# KiCad board latentpink.kicad_pcb (continued)
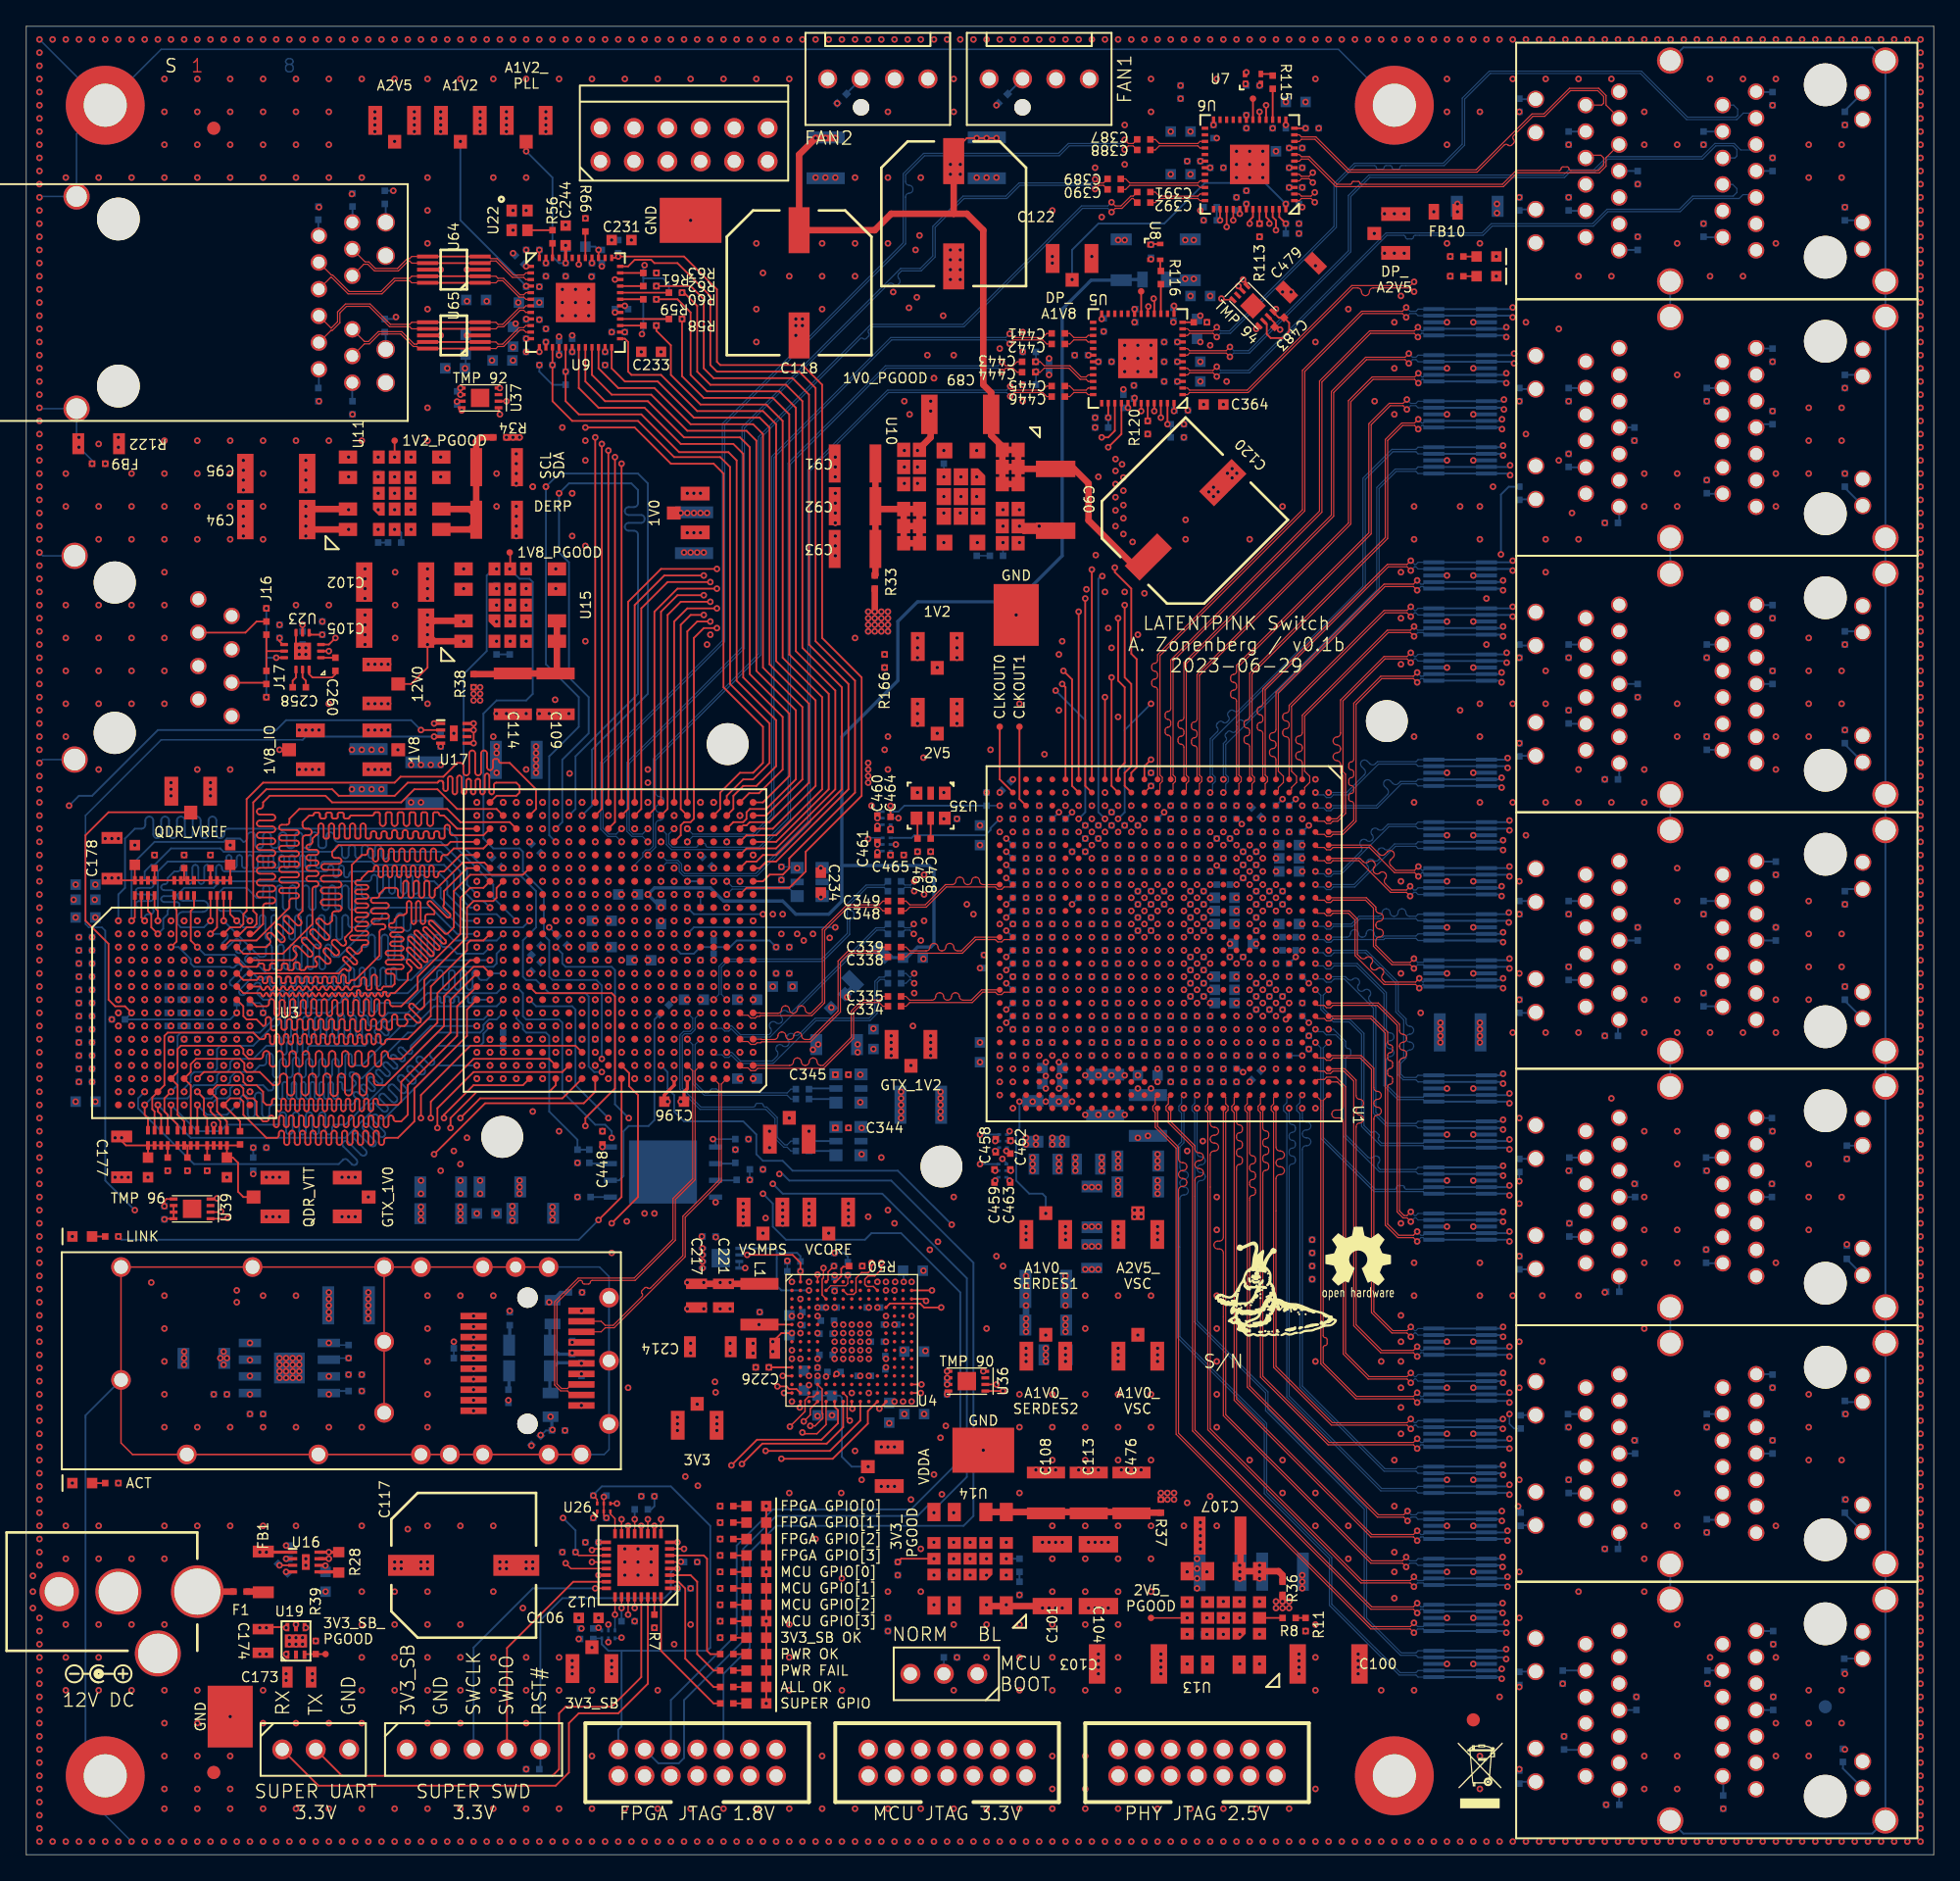
[diagram p0: board, top side]
## Routing (per net, layer and track width the routed paths; a pad name or vN(x,y) marks a point on that pad's centre or on a via; arc(x,y) is an arc through that point) (continued)
/QSGMII PHY/ETH0_D1_P: length 75.2
  Top w0.09: U1.H26 92,55.7 arc(92.07,55.54) 92.22,55.48 arc(92.38,55.41) 92.45,55.25 92.45,55.1 arc(92.38,54.94) 92.22,54.88 arc(92.07,54.81) 92,54.65 92,54.5 arc(92.07,54.34) 92.22,54.28 arc(92.38,54.21) 92.45,54.05 92.45,53.9 arc(92.38,53.74) 92.22,53.68 arc(92.07,53.61) 92,53.45 92,53.3 arc(92.07,53.14) 92.22,53.08 arc(92.38,53.01) 92.45,52.85 92.45,52.7 arc(92.38,52.54) 92.22,52.48 arc(92.07,52.41) 92,52.25 92,34.63 102.29,24.34 105.45,24.34 v1(105.73,24.62)
  In2.Cu w0.081: 129.37,12.4 130,12.4 130.41,11.99 130.41,11.64 129.86,11.09 126.79,11.09 125.34,12.54 125.34,15.54 117.79,23.09 114.79,23.09 113.54,24.34 112.89,24.34 v1(112.6,24.62)
  Bottom w0.09: 106.35,24.5 106.19,24.34 106.02,24.34 v1(105.73,24.62)
  Bottom w0.14: U48.2 U48.9 112.47,24.5 v1(112.6,24.62)
/QSGMII PHY/ETH0_D2_N: length 78.5
  Top w0.09: U1.J25 91.18,57.57 91.18,57.08 91.36,56.9 91.36,56.6 91.18,56.42 91.18,33.45 102.29,22.34 104.62,22.34 v1(104.9,22.62)
  In2.Cu w0.081: J4.10 129.72,9.98 130,9.7 130,9.22 129.86,9.09 125.79,9.09 123.84,11.04 123.84,16.04 117.54,22.34 112.52,22.34 v1(112.23,22.62)
  Bottom w0.09: v1(104.9,22.62) 105.18,22.34 105.64,22.34 105.8,22.5 U49.5
  Bottom w0.14: U49.5 U49.6 112.1,22.5 v1(112.23,22.62)
/QSGMII PHY/ETH0_D2_P: length 78.2
  Top w0.09: v1(104.9,21.88) 104.62,22.16 102.21,22.16 91,33.37 91,45.75 arc(90.91,45.96) 90.7,46.05 90.58,46.05 arc(90.37,46.14) 90.28,46.35 arc(90.37,46.56) 90.58,46.65 90.7,46.65 arc(90.91,46.74) 91,46.95 U1.J26
  In2.Cu w0.081: v1(112.23,21.88) 112.52,22.16 117.46,22.16 123.66,15.96 123.66,10.96 125.71,8.91 129.94,8.91 130.22,9.2 131.29,9.2
  Bottom w0.09: v1(104.9,21.88) 105.18,22.16 105.64,22.16 105.8,22 U49.4
  Bottom w0.14: U49.4 U49.7 112.1,22 v1(112.23,21.88)
/QSGMII PHY/ETH0_D3_N: length 81.1
  Top w0.09: U1.K25 89.82,57.57 89.82,57.08 89.64,56.9 89.64,56.6 89.82,56.42 89.82,32.3 101.46,20.66 105.2,20.66 v1(105.49,20.38)
  In2.Cu w0.081: v1(112.6,20.38) 112.89,20.66 115.46,20.66 120.21,15.91 121.71,15.91 122.91,14.71 122.91,9.16 125.26,6.81 129.84,6.81 130,6.98 J4.2
  Bottom w0.09: v1(105.49,20.38) 105.77,20.66 106.19,20.66 106.35,20.5
  Bottom w0.14: U49.1 U49.10 112.47,20.5 v1(112.6,20.38)
/QSGMII PHY/ETH0_D3_P: length 80.6
  Top w0.09: U1.K26 90,55.6 arc(90.09,55.39) 90.3,55.3 90.34,55.3 arc(90.55,55.21) 90.64,55 arc(90.55,54.79) 90.34,54.7 90.3,54.7 arc(90.09,54.61) 90,54.4 arc(90.09,54.19) 90.3,54.1 90.34,54.1 arc(90.55,54.01) 90.64,53.8 arc(90.55,53.59) 90.34,53.5 90.3,53.5 arc(90.09,53.41) 90,53.2 90,32.38 101.54,20.84 105.2,20.84 v1(105.49,21.12)
  In2.Cu w0.081: 129.43,7.97 130,7.4 130,7.22 129.76,6.99 125.34,6.99 123.09,9.24 123.09,14.79 121.79,16.09 120.29,16.09 115.54,20.84 112.89,20.84 v1(112.6,21.12)
  Bottom w0.09: v1(105.49,21.12) 105.77,20.84 106.19,20.84 106.35,21
  Bottom w0.14: v1(112.6,21.12) 112.47,21 U49.9 U49.2
/QSGMII PHY/ETH0_TAP_0: length 1.3
  Bottom w0.14: C393.2 131.53,17
/QSGMII PHY/ETH0_TAP_1: length 1.2
  Bottom w0.14: J4.12 C394.2
/QSGMII PHY/ETH0_TAP_2: length 1.3
  Bottom w0.14: C395.2 J4.4
/QSGMII PHY/ETH0_TAP_3: length 1.4
  Bottom w0.14: C396.2 129,5.92
/QSGMII PHY/ETH1_D0_N: length 72.5
  In2.Cu w0.081: J4.21 119.16,5.96 119.7,6.5 119.7,6.68 119.46,6.91 117.71,6.91 112.91,11.71 112.91,13.46 112.71,13.66 112.45,13.66 v1(112.16,13.38)
  Bottom w0.09: v1(88,57.75) 87.82,57.57 87.82,57.11 87.62,56.91 87.62,56.59 87.82,56.39 87.82,54.2 87.51,53.89 87.51,39.31 94.11,32.71 94.11,27.46 99.06,22.51 99.06,18.96 104.36,13.66 105.64,13.66 105.8,13.5 U52.1
  Bottom w0.14: v1(112.16,13.38) 112.04,13.5 U52.10 U52.1
/QSGMII PHY/ETH1_D0_P: length 72.4
  In2.Cu w0.081: v1(112.16,14.12) 112.45,13.84 112.79,13.84 113.09,13.54 113.09,11.79 117.79,7.09 119.54,7.09 119.81,6.81 120.25,6.81 120.42,6.98 J4.15
  Bottom w0.09: v1(88,56.75) 88,54.12 87.69,53.81 87.69,52.26 arc(87.78,52.05) 87.99,51.96 88.03,51.96 arc(88.25,51.87) 88.33,51.66 arc(88.25,51.45) 88.03,51.36 87.99,51.36 arc(87.78,51.27) 87.69,51.06 arc(87.78,50.85) 87.99,50.76 88.03,50.76 arc(88.25,50.67) 88.33,50.46 arc(88.25,50.25) 88.03,50.16 87.99,50.16 arc(87.78,50.07) 87.69,49.86 87.69,39.39 94.29,32.79 94.29,27.54 99.24,22.59 99.24,19.04 104.44,13.84 105.64,13.84 105.8,14 U52.2
  Bottom w0.14: v1(112.16,14.12) 112.04,14 U52.9 U52.2
/QSGMII PHY/ETH1_D1_N: length 69.3
  In2.Cu w0.081: 120.78,9.3 119.92,9.3 119.54,8.91 117.96,8.91 113.41,13.46 113.41,14.71 112.96,15.16 112.79,15.16 v1(112.5,14.88)
  Bottom w0.09: U52.4 105.8,15 105.64,15.16 104.46,15.16 101.71,17.91 101.71,26.26 94.21,33.76 94.21,35.11 88.82,40.5 88.82,56.39 88.62,56.59 88.62,56.91 88.82,57.11 88.82,57.57 v1(89,57.75)
  Bottom w0.14: U52.4 U52.7 112.38,15 v1(112.5,14.88)
/QSGMII PHY/ETH1_D1_P: length 69.7
  In2.Cu w0.081: v1(112.5,15.62) 112.79,15.34 113.04,15.34 113.59,14.79 113.59,13.54 118.04,9.09 119.46,9.09 119.69,9.31 119.69,9.51 119.22,9.98 J4.23
  Bottom w0.09: v1(89,56.75) 89,53.35 arc(89.09,53.14) 89.3,53.05 89.32,53.05 arc(89.54,52.96) 89.62,52.75 arc(89.54,52.54) 89.32,52.45 89.3,52.45 arc(89.09,52.36) 89,52.15 arc(89.09,51.94) 89.3,51.85 89.32,51.85 arc(89.54,51.76) 89.62,51.55 arc(89.54,51.34) 89.32,51.25 89.3,51.25 arc(89.09,51.16) 89,50.95 89,40.58 94.39,35.19 94.39,33.84 101.89,26.34 101.89,17.99 104.54,15.34 105.64,15.34 105.8,15.5 U52.5
  Bottom w0.14: U52.5 U52.6 112.38,15.5 v1(112.5,15.62)
/QSGMII PHY/ETH1_D2_N: length 68.9
  Top w0.09: U1.P25 85.82,57.57 85.82,57.08 85.64,56.9 85.64,56.6 85.82,56.42 85.82,55.3 87.41,53.71 87.41,31.96 102.21,17.16 105.21,17.16 v1(105.49,16.88)
  In2.Cu w0.081: v1(112.51,16.88) 112.8,17.16 113.21,17.16 113.66,16.71 113.66,15.71 114.46,14.91 115.96,14.91 117.96,12.91 119.46,12.91 119.7,12.68 119.7,12.5 119.19,11.99 J4.24
  Bottom w0.09: v1(105.49,16.88) 105.78,17.16 106.19,17.16 106.35,17
  Bottom w0.14: v1(112.51,16.88) 112.39,17 U53.10 U53.1
/QSGMII PHY/ETH1_D2_P: length 68.5
  Top w0.09: v1(105.49,17.62) 105.21,17.34 102.29,17.34 87.59,32.04 87.59,50.51 arc(87.68,50.72) 87.89,50.81 87.93,50.81 arc(88.14,50.9) 88.23,51.11 arc(88.14,51.32) 87.93,51.41 87.89,51.41 arc(87.68,51.5) 87.59,51.71 arc(87.68,51.92) 87.89,52.01 87.93,52.01 arc(88.14,52.1) 88.23,52.31 arc(88.14,52.52) 87.93,52.61 87.89,52.61 arc(87.68,52.7) 87.59,52.91 87.59,53.79 86,55.38 U1.P26
  In2.Cu w0.081: v1(112.51,17.62) 112.8,17.34 113.29,17.34 113.84,16.79 113.84,15.79 114.54,15.09 116.04,15.09 118.04,13.09 119.54,13.09 119.92,12.7 120.78,12.7
  Bottom w0.09: v1(105.49,17.62) 105.78,17.34 106.19,17.34 106.35,17.5
  Bottom w0.14: v1(112.51,17.62) 112.39,17.5 U53.9 U53.2
/QSGMII PHY/ETH1_D3_N: length 66.1
  Top w0.09: v1(105.73,18.38) 105.45,18.66 102.21,18.66 88.66,32.21 88.66,53.81 86.82,55.65 86.82,56.42 86.64,56.6 86.64,56.9 86.82,57.08 86.82,57.57 U1.N25
  In2.Cu w0.081: J4.19 120.48,15.02 120.3,15.2 119.82,15.2 119.54,14.91 117.96,14.91 114.21,18.66 112.52,18.66 v1(112.23,18.38)
  Bottom w0.09: v1(105.73,18.38) 106.02,18.66 106.19,18.66 106.35,18.5
  Bottom w0.14: U53.4 U53.7 112.1,18.5 v1(112.23,18.38)
/QSGMII PHY/ETH1_D3_P: length 66.2
  Top w0.09: U1.N26 87,55.73 88.84,53.89 88.84,53.66 arc(88.93,53.45) 89.14,53.36 89.18,53.36 arc(89.39,53.27) 89.48,53.06 arc(89.39,52.85) 89.18,52.76 89.14,52.76 arc(88.93,52.67) 88.84,52.46 arc(88.93,52.25) 89.14,52.16 89.18,52.16 arc(89.39,52.07) 89.48,51.86 arc(89.39,51.65) 89.18,51.56 89.14,51.56 arc(88.93,51.47) 88.84,51.26 88.84,32.29 102.29,18.84 105.45,18.84 v1(105.73,19.12)
  In2.Cu w0.081: v1(112.23,19.12) 112.52,18.84 114.29,18.84 118.04,15.09 119.46,15.09 119.69,15.31 119.69,15.51 119.19,16.01 J4.26
  Bottom w0.09: 106.35,19 106.19,18.84 106.02,18.84 v1(105.73,19.12)
  Bottom w0.14: v1(112.23,19.12) 112.1,19 U53.6 U53.5
/QSGMII PHY/ETH1_TAP_0: length 1.2
  Bottom w0.14: J4.14 121.09,3.81
/QSGMII PHY/ETH1_TAP_1: length 1.6
  Bottom w0.14: J4.22 116.93,7.97
/QSGMII PHY/ETH1_TAP_2: length 1.3
  Bottom w0.14: C399.2 J4.17
/QSGMII PHY/ETH1_TAP_3: length 1.7
  Bottom w0.14: J4.25 C400.2
/QSGMII PHY/ETH2_D0_N: length 56.3
  Top w0.09: v1(105.25,39.38) 104.97,39.66 103.81,39.66 102.26,41.21 102.26,59.71 101.4,60.57 99.33,60.57 99.15,60.39 98.85,60.39 98.67,60.57 98.18,60.57 U1.B22
  In2.Cu w0.081: v1(112.27,39.38) 112.56,39.66 122.11,39.66 124.66,37.11 128.2,37.11 arc(128.33,37.06) 128.39,36.92 arc(128.45,36.78) 128.59,36.73 128.8,36.73 arc(128.93,36.78) 128.99,36.92 arc(129.05,37.06) 129.19,37.11 129.56,37.11 130.22,36.46 130.22,35.52 130.1,35.4 129.07,35.4
  Bottom w0.081: v1(105.25,39.38) 105.54,39.66 105.63,39.67 105.8,39.5 U56.4
  Bottom w0.14: v1(112.27,39.38) 112.14,39.5 U56.7 U56.4
/QSGMII PHY/ETH2_D0_P: length 56.5
  Top w0.09: v1(105.25,40.12) 104.97,39.84 103.89,39.84 102.44,41.29 102.44,55.95 arc(102.52,56.15) 102.72,56.23 arc(102.92,56.31) 103,56.51 103,56.55 arc(102.92,56.75) 102.72,56.83 arc(102.52,56.91) 102.44,57.11 102.44,57.15 arc(102.52,57.35) 102.72,57.43 arc(102.92,57.51) 103,57.71 103,57.75 arc(102.92,57.95) 102.72,58.03 arc(102.52,58.11) 102.44,58.31 102.44,59.79 101.48,60.75 U1.A22
  In2.Cu w0.081: J8.6 130.38,35.64 130.38,36.54 129.64,37.28 124.74,37.28 122.19,39.84 112.56,39.84 v1(112.27,40.12)
  Bottom w0.081: U56.5 105.8,40 105.63,39.83 105.54,39.84 v1(105.25,40.12)
  Bottom w0.14: U56.5 U56.6 112.14,40 v1(112.27,40.12)
/QSGMII PHY/ETH2_D1_N: length 60.5
  Top w0.09: v1(105.73,37.88) 105.45,38.16 102.96,38.16 100.91,40.21 100.91,58.81 100.15,59.57 99.33,59.57 99.15,59.39 98.85,59.39 98.67,59.57 98.18,59.57 U1.B23
  In2.Cu w0.081: 131.11,32.51 130.49,31.88 130.49,30.86 130.04,30.41 126.96,30.41 125.01,32.36 125.01,36.06 122.06,39.02 114.74,39.02 113.89,38.16 113.04,38.16 v1(112.75,37.88)
  Bottom w0.081: 106.35,38 106.19,38.17 106.02,38.16 v1(105.73,37.88)
  Bottom w0.14: v1(112.75,37.88) 112.62,38 U56.10 U56.1
/QSGMII PHY/ETH2_D1_P: length 60.5
  Top w0.09: U1.A23 100.23,59.75 101.09,58.89 101.09,57.71 arc(101.17,57.51) 101.37,57.43 arc(101.57,57.35) 101.65,57.15 101.65,57.11 arc(101.57,56.91) 101.37,56.83 arc(101.17,56.75) 101.09,56.55 101.09,56.51 arc(101.17,56.31) 101.37,56.23 arc(101.57,56.15) 101.65,55.95 101.65,55.91 arc(101.57,55.71) 101.37,55.63 arc(101.17,55.55) 101.09,55.35 101.09,40.29 103.04,38.34 105.45,38.34 v1(105.73,38.62)
  In2.Cu w0.081: 129.28,31.8 130.23,31.8 130.31,31.72 130.31,30.94 129.96,30.59 128.38,30.59 arc(128.32,30.61) 128.29,30.68 arc(128.26,30.75) 128.19,30.78 127.78,30.78 arc(127.72,30.75) 127.69,30.68 arc(127.66,30.61) 127.59,30.59 127.04,30.59 125.19,32.44 125.19,36.14 122.14,39.19 114.66,39.19 113.81,38.34 113.04,38.34 v1(112.75,38.62)
  Bottom w0.081: 106.35,38.5 106.19,38.33 106.02,38.34 v1(105.73,38.62)
  Bottom w0.14: v1(112.75,38.62) 112.62,38.5 U56.9 U56.2
/QSGMII PHY/ETH2_D2_N: length 64.1
  Top w0.09: U1.B24 98.18,58.93 98.67,58.93 98.85,59.11 99.57,59.11 100.29,58.39 100.29,38.14 102.09,36.34 104.97,36.34 v1(105.25,36.62)
  In2.Cu w0.081: J8.10 129.72,29.48 130.14,29.06 130.14,28.86 129.76,28.49 125.94,28.49 124.28,30.14 124.28,36.24 122.34,38.19 114.86,38.19 113.01,36.34 112.56,36.34 v1(112.27,36.62)
  Bottom w0.081: U57.5 105.8,36.5 105.63,36.33 105.54,36.34 v1(105.25,36.62)
  Bottom w0.14: v1(112.27,36.62) 112.14,36.5 U57.6 U57.5
/QSGMII PHY/ETH2_D2_P: length 63.7
  Top w0.09: U1.A24 99.67,58.75 100.11,58.31 100.11,56.91 arc(100.02,56.7) 99.81,56.61 99.54,56.61 arc(99.33,56.52) 99.24,56.31 arc(99.33,56.1) 99.54,56.01 99.81,56.01 arc(100.02,55.92) 100.11,55.71 100.11,38.06 102.01,36.16 104.97,36.16 v1(105.25,35.88)
  In2.Cu w0.081: v1(112.27,35.88) 112.56,36.16 113.09,36.16 114.94,38.02 122.26,38.02 124.12,36.16 124.12,30.06 125.86,28.31 129.84,28.31 130.32,28.8 131.19,28.8
  Bottom w0.081: U57.4 105.8,36 105.63,36.17 105.54,36.16 v1(105.25,35.88)
  Bottom w0.14: U57.4 U57.7 112.14,36 v1(112.27,35.88)
/QSGMII PHY/ETH2_D3_N: length 65.1
  Top w0.09: U1.B25 98.41,57.34 98.41,37.31 101.06,34.66 105.45,34.66 v1(105.73,34.38)
  In2.Cu w0.081: 131.19,26.8 130.22,26.8 129.74,26.31 124.96,26.31 123.22,28.06 123.22,36.26 121.96,37.52 118.94,37.52 116.09,34.66 113.04,34.66 v1(112.75,34.38)
  Bottom w0.081: v1(105.73,34.38) 106.02,34.66 106.19,34.67 106.35,34.5
  Bottom w0.14: v1(112.75,34.38) 112.62,34.5 U57.10 U57.1
/QSGMII PHY/ETH2_D3_P: length 65.5
  Top w0.09: U1.A25 98.59,57.34 98.59,39.46 arc(98.63,39.35) 98.74,39.31 arc(98.85,39.27) 98.89,39.16 98.89,38.86 arc(98.85,38.75) 98.74,38.71 arc(98.63,38.67) 98.59,38.56 98.59,37.39 101.14,34.84 105.45,34.84 v1(105.73,35.12)
  In2.Cu w0.081: J8.9 129.73,27.47 130.1,27.1 130.1,26.92 129.66,26.49 125.04,26.49 123.38,28.14 123.38,36.34 122.04,37.69 118.86,37.69 116.01,34.84 113.04,34.84 v1(112.75,35.12)
  Bottom w0.081: v1(105.73,35.12) 106.02,34.84 106.19,34.83 106.35,35
  Bottom w0.14: v1(112.75,35.12) 112.62,35 U57.9 U57.2
/QSGMII PHY/ETH2_TAP_0: length 1.2
  Bottom w0.14: J8.7 132.72,36.53
/QSGMII PHY/ETH2_TAP_1: length 1.2
  Bottom w0.14: J8.12 C402.2
/QSGMII PHY/ETH2_TAP_2: length 1.2
  Bottom w0.14: J8.4 C403.2
/QSGMII PHY/ETH2_TAP_3: length 1.2
  Bottom w0.14: J8.8 127.79,25.46
/QSGMII PHY/ETH3_D0_N: length 52.4
  In2.Cu w0.081: 118.79,25.7 119.4,25.7 119.7,26 119.7,26.08 119.36,26.41 114.16,26.41 113.72,26.86 113.72,27.36 113.41,27.66 113.04,27.66 v1(112.75,27.38)
  Bottom w0.09: U60.1 105.8,27.5 105.64,27.66 102.96,27.66 95.82,34.8 95.82,56.34 95.58,56.58 95.58,56.92 95.82,57.16 95.82,57.57 v1(96,57.75)
  Bottom w0.14: v1(112.75,27.38) 112.62,27.5 U60.10 U60.1
/QSGMII PHY/ETH3_D0_P: length 52.4
  In2.Cu w0.081: 120.81,26.2 119.82,26.2 119.44,26.59 114.24,26.59 113.88,26.94 113.88,27.44 113.49,27.84 113.04,27.84 v1(112.75,28.12)
  Bottom w0.09: v1(96,56.75) 96,55.75 arc(96.07,55.58) 96.24,55.51 arc(96.41,55.44) 96.48,55.27 96.48,55.15 arc(96.41,54.98) 96.24,54.91 arc(96.07,54.84) 96,54.67 96,54.55 arc(96.07,54.38) 96.24,54.31 arc(96.41,54.24) 96.48,54.07 96.48,53.95 arc(96.41,53.78) 96.24,53.71 arc(96.07,53.64) 96,53.47 96,53.35 arc(96.07,53.18) 96.24,53.11 arc(96.41,53.04) 96.48,52.87 96.48,52.75 arc(96.41,52.58) 96.24,52.51 arc(96.07,52.44) 96,52.27 96,34.88 103.04,27.84 105.64,27.84 105.8,28 U60.2
  Bottom w0.14: v1(112.75,28.12) 112.62,28 U60.9 U60.2
/QSGMII PHY/ETH3_D1_N: length 49.7
  In2.Cu w0.081: v1(112.27,28.88) 112.56,29.16 117.21,29.16 117.96,28.41 119.34,28.41 119.62,28.7 120.4,28.7 120.61,28.49
  Bottom w0.09: v1(97,57.75) 96.82,57.57 96.82,57.16 96.58,56.92 96.58,56.58 96.82,56.34 96.82,35.55 103.21,29.16 105.64,29.16 105.8,29 U60.4
  Bottom w0.14: v1(112.27,28.88) 112.14,29 U60.7 U60.4
/QSGMII PHY/ETH3_D1_P: length 50.1
  In2.Cu w0.081: v1(112.27,29.62) 112.56,29.34 117.29,29.34 118.04,28.59 119.26,28.59 119.64,28.96 119.64,29.16 119.32,29.48 118.56,29.48
  Bottom w0.09: v1(97,56.75) 97,56 arc(97.09,55.79) 97.3,55.7 97.35,55.7 arc(97.56,55.61) 97.65,55.4 arc(97.56,55.19) 97.35,55.1 97.3,55.1 arc(97.09,55.01) 97,54.8 arc(97.09,54.59) 97.3,54.5 97.35,54.5 arc(97.56,54.41) 97.65,54.2 arc(97.56,53.99) 97.35,53.9 97.3,53.9 arc(97.09,53.81) 97,53.6 97,35.63 103.29,29.34 105.64,29.34 105.8,29.5 U60.5
  Bottom w0.14: v1(112.27,29.62) 112.14,29.5 U60.6 U60.5
/QSGMII PHY/ETH3_D2_N: length 51.6
  Top w0.09: U1.F25 93.82,57.57 93.82,57.08 93.64,56.9 93.64,56.6 93.82,56.42 93.82,36.3 98.96,31.16 105.45,31.16 v1(105.73,30.88)
  In2.Cu w0.081: v1(112.75,30.88) 113.04,31.16 116.89,31.16 118.14,32.42 119.36,32.42 119.64,32.14 119.64,31.84 119.29,31.49 118.56,31.49
  Bottom w0.09: v1(105.73,30.88) 106.02,31.16 106.19,31.16 106.35,31
  Bottom w0.14: U61.1 U61.10 112.62,31 v1(112.75,30.88)
/QSGMII PHY/ETH3_D2_P: length 51.3
  Top w0.09: v1(105.73,31.62) 105.45,31.34 99.04,31.34 94,36.38 94,51.8 arc(94.07,51.96) 94.22,52.03 arc(94.38,52.09) 94.45,52.25 94.45,52.4 arc(94.38,52.56) 94.22,52.63 arc(94.07,52.69) 94,52.85 94,53 arc(94.07,53.16) 94.22,53.23 arc(94.38,53.29) 94.45,53.45 94.45,53.6 arc(94.38,53.76) 94.22,53.83 arc(94.07,53.89) 94,54.05 94,54.2 arc(94.07,54.36) 94.22,54.43 arc(94.38,54.49) 94.45,54.65 94.45,54.8 arc(94.38,54.96) 94.22,55.03 arc(94.07,55.09) 94,55.25 U1.F26
  In2.Cu w0.081: v1(112.75,31.62) 113.04,31.34 116.81,31.34 118.06,32.58 119.44,32.58 119.72,32.3 120.88,32.3
  Bottom w0.09: 106.35,31.5 106.19,31.34 106.02,31.34 v1(105.73,31.62)
  Bottom w0.14: v1(112.75,31.62) 112.62,31.5 U61.9 U61.2
/QSGMII PHY/ETH3_D3_N: length 50.7
  Top w0.09: U1.E25 94.82,57.57 94.82,57.08 94.64,56.9 94.64,56.6 94.82,56.42 94.82,37.05 99.21,32.66 104.97,32.66 v1(105.25,32.38)
  In2.Cu w0.081: 120.91,34.7 119.82,34.7 119.54,34.42 118.14,34.42 115.74,32.02 114.06,32.02 113.41,32.66 112.54,32.66 v1(112.25,32.38)
  Bottom w0.09: v1(105.25,32.38) 105.53,32.66 105.64,32.66 105.8,32.5 U61.4
  Bottom w0.14: v1(112.25,32.38) 112.12,32.5 U61.7 U61.4
/QSGMII PHY/ETH3_D3_P: length 51
  Top w0.09: v1(105.25,33.12) 104.97,32.84 99.29,32.84 95,37.13 95,51.4 arc(95.09,51.61) 95.3,51.7 95.34,51.7 arc(95.55,51.79) 95.64,52 arc(95.55,52.21) 95.34,52.3 95.3,52.3 arc(95.09,52.39) 95,52.6 arc(95.09,52.81) 95.3,52.9 95.34,52.9 arc(95.55,52.99) 95.64,53.2 arc(95.55,53.41) 95.34,53.5 95.3,53.5 arc(95.09,53.59) 95,53.8 U1.E26
  In2.Cu w0.081: 118.56,35.51 119.29,35.51 119.6,35.2 119.6,34.72 119.46,34.58 118.06,34.58 115.66,32.19 114.14,32.19 113.49,32.84 112.54,32.84 v1(112.25,33.12)
  Bottom w0.09: v1(105.25,33.12) 105.53,32.84 105.64,32.84 105.8,33 U61.5
  Bottom w0.14: U61.5 U61.6 112.12,33 v1(112.25,33.12)
/QSGMII PHY/ETH3_TAP_0: length 1.1
  Bottom w0.14: J8.14 121.09,23.34
/QSGMII PHY/ETH3_TAP_1: length 1.3
  Bottom w0.14: 118.56,27.47 117.28,27.47
/QSGMII PHY/ETH3_TAP_2: length 1.2
  Bottom w0.14: J8.17 C407.2
/QSGMII PHY/ETH3_TAP_3: length 1.4
  Bottom w0.14: 118.56,33.5 C408.2
/QSGMII PHY/ETH4_D0_N: length 45.3
  In2.Cu w0.081: J18.13 129.99,55.01 130.1,54.9 130.38,54.9 130.41,54.94 130.41,55.86 130.29,55.99 arc(130.17,56.04) 130.05,55.99 arc(129.92,55.94) 129.8,55.99 129.76,56.03 arc(129.71,56.15) 129.76,56.27 arc(129.81,56.39) 129.76,56.52 129.56,56.72 123.46,56.72 121.26,58.91 112.56,58.91 v1(112.27,58.62)
  Bottom w0.09: U41.4 105.8,58.75 105.64,58.91 104.66,58.91 104.31,59.26 104.31,60.24 104.71,60.64 104.71,63.46 104.11,64.06 104.11,66.26 101.8,68.57 99.41,68.57 99.17,68.33 98.83,68.33 98.59,68.57 98.18,68.57 v1(98,68.75)
  Bottom w0.14: v1(112.27,58.62) 112.14,58.75 U41.7 U41.4
/QSGMII PHY/ETH4_D0_P: length 44.8
  In2.Cu w0.081: v1(112.27,59.38) 112.56,59.09 121.34,59.09 123.54,56.89 129.64,56.89 130.59,55.94 130.59,54.42 130.98,54.02
  Bottom w0.09: v1(99,68.75) 101.88,68.75 104.29,66.34 104.29,64.14 104.89,63.54 104.89,63.27 arc(104.97,63.06) 105.18,62.98 arc(105.38,62.89) 105.47,62.69 105.47,62.67 arc(105.38,62.46) 105.18,62.38 arc(104.97,62.29) 104.89,62.09 104.89,62.07 arc(104.97,61.86) 105.18,61.78 arc(105.38,61.69) 105.47,61.49 105.47,61.47 arc(105.38,61.26) 105.18,61.18 arc(104.97,61.09) 104.89,60.89 104.89,60.56 104.49,60.16 104.49,59.34 104.74,59.09 105.64,59.09 105.8,59.25 U41.5
  Bottom w0.14: v1(112.27,59.38) 112.14,59.25 U41.6 U41.5
/QSGMII PHY/ETH4_D1_N: length 46.1
  In2.Cu w0.081: J18.5 130.59,51.09 130.59,50.36 130.14,49.92 126.96,49.92 121.96,54.92 120.46,54.92 117.96,57.41 113.04,57.41 v1(112.75,57.12)
  Bottom w0.09: v1(98,67.75) 98.18,67.57 98.59,67.57 98.83,67.33 99.17,67.33 99.41,67.57 101.1,67.57 103.21,65.46 103.21,58.46 104.26,57.41 106.19,57.41 106.35,57.25
  Bottom w0.14: v1(112.75,57.12) 112.62,57.25 U41.10 U41.1
/QSGMII PHY/ETH4_D1_P: length 45.7
  In2.Cu w0.081: v1(112.75,57.88) 113.04,57.59 118.04,57.59 120.54,55.08 122.04,55.08 127.04,50.08 130.06,50.08 130.41,50.44 130.41,51.06 130.18,51.3 129.28,51.3
  Bottom w0.09: v1(99,67.75) 101.18,67.75 103.39,65.54 103.39,62.77 arc(103.47,62.56) 103.68,62.48 arc(103.88,62.39) 103.97,62.19 103.97,62.17 arc(103.88,61.96) 103.68,61.88 arc(103.47,61.79) 103.39,61.59 103.39,61.57 arc(103.47,61.36) 103.68,61.28 arc(103.88,61.19) 103.97,60.99 103.97,60.97 arc(103.88,60.76) 103.68,60.68 arc(103.47,60.59) 103.39,60.39 103.39,58.54 104.34,57.59 106.19,57.59 106.35,57.75
  Bottom w0.14: U41.2 U41.9 112.62,57.75 v1(112.75,57.88)
/QSGMII PHY/ETH4_D2_N: length 46.6
  In5.Cu w0.081: 129.28,48.66 130.14,48.66 130.31,48.84 130.31,49.46 129.86,49.92 128.41,49.92 arc(128.33,49.88) 128.3,49.8 arc(128.26,49.71) 128.18,49.68 127.81,49.68 arc(127.73,49.71) 127.7,49.8 arc(127.66,49.88) 127.58,49.92 125.96,49.92 122.96,52.92 120.26,52.92 119.26,53.92 117.56,53.92 117.06,54.42 113.76,54.42 112.76,55.41 112.56,55.41 v1(112.27,55.12)
  Bottom w0.09: U42.4 105.8,55.25 105.64,55.41 103.36,55.41 102.41,56.36 102.41,64.36 100.2,66.57 99.41,66.57 99.17,66.33 98.83,66.33 98.59,66.57 98.18,66.57 v1(98,66.75)
  Bottom w0.14: v1(112.27,55.12) 112.14,55.25 U42.7 U42.4
/QSGMII PHY/ETH4_D2_P: length 46.6
  In5.Cu w0.081: 131.11,47.99 130.49,48.61 130.49,49.54 129.94,50.08 126.04,50.08 123.04,53.08 120.34,53.08 119.34,54.08 117.64,54.08 117.14,54.58 113.84,54.58 112.84,55.59 112.56,55.59 v1(112.27,55.88)
  Bottom w0.09: v1(99,66.75) 100.28,66.75 100.46,66.56 arc(100.66,66.48) 100.85,66.56 arc(101.05,66.64) 101.24,66.56 101.28,66.53 arc(101.36,66.33) 101.28,66.14 arc(101.2,65.94) 101.28,65.75 101.31,65.72 arc(101.51,65.63) 101.7,65.72 arc(101.9,65.8) 102.09,65.72 102.13,65.68 arc(102.21,65.49) 102.13,65.29 arc(102.04,65.1) 102.13,64.9 102.59,64.44 102.59,56.44 103.44,55.59 105.64,55.59 105.8,55.75 U42.5
  Bottom w0.14: v1(112.27,55.88) 112.14,55.75 U42.6 U42.5
/QSGMII PHY/ETH4_D3_N: length 47.6
  In5.Cu w0.081: v1(112.75,53.62) 113.04,53.91 116.06,53.91 118.06,51.92 119.46,51.92 119.91,51.46 119.91,49.36 120.36,48.92 125.46,48.92 128.46,45.92 129.94,45.92 130.42,46.4 131.09,46.4 J18.2
  Bottom w0.09: v1(98,65.75) 98.41,65.34 98.41,64.26 99.36,63.31 100.56,63.31 101.51,62.36 101.51,55.36 102.96,53.91 106.19,53.91 106.35,53.75
  Bottom w0.14: v1(112.75,53.62) 112.62,53.75 U42.10 U42.1
/QSGMII PHY/ETH4_D3_P: length 47.7
  In5.Cu w0.081: v1(112.75,54.38) 113.04,54.09 116.14,54.09 118.14,52.08 119.54,52.08 120.09,51.54 120.09,49.44 120.44,49.08 125.54,49.08 128.54,46.08 129.86,46.08 130.14,46.36 130.14,46.66 129.83,46.97 J18.9
  Bottom w0.09: 106.35,54.25 106.19,54.09 103.04,54.09 102.81,54.31 arc(102.77,54.42) 102.81,54.53 arc(102.86,54.63) 102.81,54.74 102.6,54.95 arc(102.5,54.99) 102.39,54.95 arc(102.28,54.91) 102.18,54.95 101.69,55.44 101.69,62.44 100.64,63.49 99.44,63.49 98.59,64.34 98.59,65.34 v1(99,65.75)
  Bottom w0.14: U42.2 U42.9 112.62,54.25 v1(112.75,54.38)
/QSGMII PHY/ETH4_TAP_0: length 1.2
  Bottom w0.14: C409.2 131.53,56
/QSGMII PHY/ETH4_TAP_1: length 1.3
  Bottom w0.14: J18.12 C410.2
/QSGMII PHY/ETH4_TAP_2: length 1.2
  Bottom w0.14: C411.2 J18.4
/QSGMII PHY/ETH4_TAP_3: length 1.2
  Bottom w0.14: J18.8 127.74,44.96
/QSGMII PHY/ETH5_D0_N: length 39.4
  Top w0.09: U1.B19 98.18,63.57 98.67,63.57 98.85,63.39 99.15,63.39 99.33,63.57 102.2,63.57 103.31,62.46 103.31,47.86 104.26,46.91 105.45,46.91 v1(105.73,46.62)
  In2.Cu w0.081: 118.56,44.96 119.36,44.96 119.69,45.29 119.69,45.69 119.46,45.92 114.21,45.92 113.21,46.91 113.04,46.91 v1(112.75,46.62)
  Bottom w0.081: v1(105.73,46.62) 106.02,46.91 106.19,46.92 106.35,46.75
  Bottom w0.14: v1(112.75,46.62) 112.62,46.75 U44.10 U44.1
/QSGMII PHY/ETH5_D0_P: length 38.9
  Top w0.09: U1.A19 102.28,63.75 103.49,62.54 103.49,61.76 arc(103.54,61.63) 103.68,61.57 arc(103.81,61.52) 103.87,61.38 103.87,61.16 arc(103.81,61.03) 103.68,60.97 arc(103.54,60.92) 103.49,60.78 103.49,60.56 arc(103.54,60.43) 103.68,60.37 arc(103.81,60.32) 103.87,60.18 103.87,59.96 arc(103.81,59.83) 103.68,59.77 arc(103.54,59.72) 103.49,59.58 103.49,59.36 arc(103.54,59.23) 103.68,59.17 arc(103.81,59.12) 103.87,58.98 103.87,58.76 arc(103.81,58.63) 103.68,58.57 arc(103.54,58.52) 103.49,58.38 103.49,47.94 104.34,47.09 105.45,47.09 v1(105.73,47.38)
  In2.Cu w0.081: 120.72,45.6 120.02,45.6 119.54,46.08 114.29,46.08 113.29,47.09 113.04,47.09 v1(112.75,47.38)
  Bottom w0.081: v1(105.73,47.38) 106.02,47.09 106.19,47.08 106.35,47.25
  Bottom w0.14: v1(112.75,47.38) 112.62,47.25 U44.9 U44.2
/QSGMII PHY/ETH5_D1_N: length 39.3
  Top w0.09: v1(105.25,48.12) 104.97,48.41 104.66,48.41 104.21,48.86 104.21,63.06 102.7,64.57 99.33,64.57 99.15,64.39 98.85,64.39 98.67,64.57 98.18,64.57 U1.B18
  In2.Cu w0.081: v1(112.27,48.12) 112.56,48.41 115.54,48.42 116.04,48.92 117.06,48.92 118.06,47.92 119.54,47.92 119.92,48.3 120.78,48.3
  Bottom w0.081: U44.4 105.8,48.25 105.63,48.42 105.54,48.41 v1(105.25,48.12)
  Bottom w0.14: v1(112.27,48.12) 112.14,48.25 U44.7 U44.4
/QSGMII PHY/ETH5_D1_P: length 39.7
  Top w0.09: U1.A18 102.78,64.75 104.39,63.14 104.39,62.64 arc(104.47,62.45) 104.66,62.37 arc(104.85,62.29) 104.93,62.1 104.93,62.04 arc(104.85,61.85) 104.66,61.77 arc(104.47,61.69) 104.39,61.5 104.39,61.44 arc(104.47,61.25) 104.66,61.17 arc(104.85,61.09) 104.93,60.9 104.93,60.84 arc(104.85,60.65) 104.66,60.57 arc(104.47,60.49) 104.39,60.3 104.39,48.94 104.74,48.59 104.97,48.59 v1(105.25,48.88)
  In2.Cu w0.081: v1(112.27,48.88) 112.56,48.59 115.46,48.58 115.96,49.08 117.14,49.08 118.14,48.08 119.46,48.08 119.6,48.22 119.6,48.8 119.42,48.98 118.56,48.98